# Altium PCB EPS.PcbDoc (part 8 of 11) (continued)
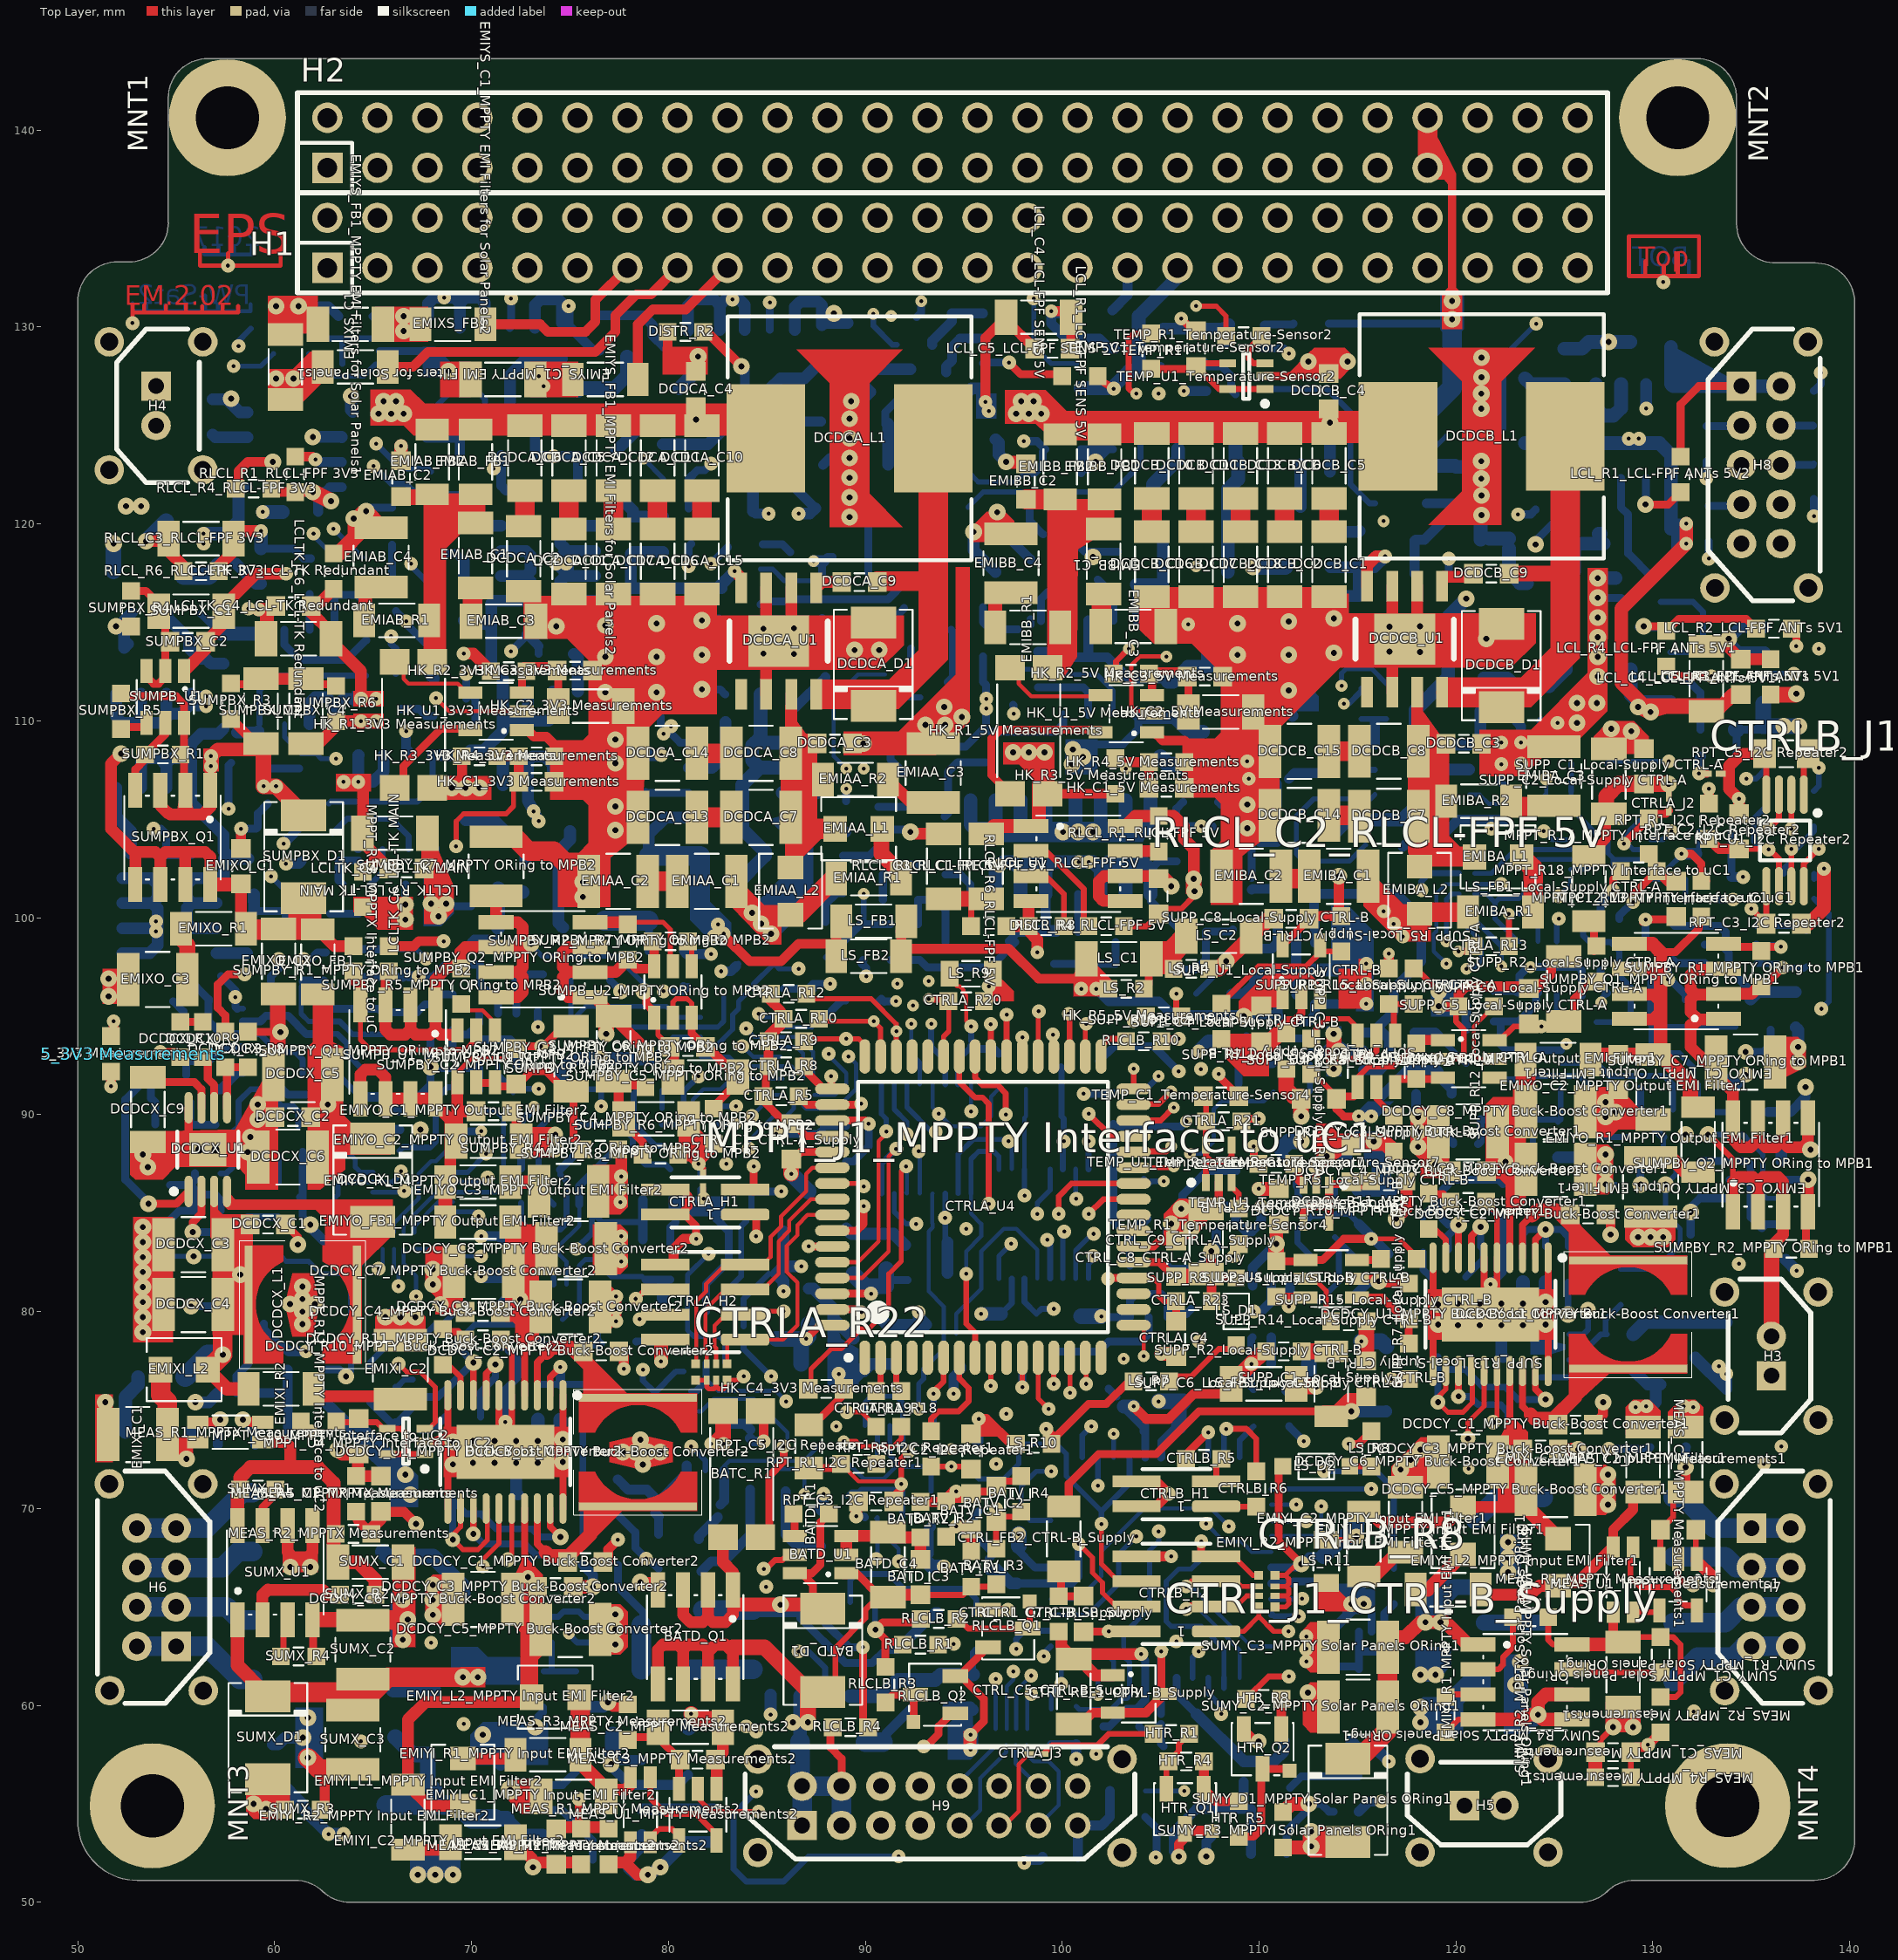
[diagram p0: Top Layer view]
## Nets (pads, with @x,y where several pads share a name; then routed paths per layer and width w, separated by ;. In a path a pad name is that pad's centre, name@x,y a point inside that pad or via, vN(x,y) a via of type N, cw(c..) or ccw(c..) an arc to the next point about the centre after c; other vN are vias at no path point) (continued)
  Bottom Layer w0.208: 74.821,81.376 74.821,82.532 74.422,82.931 74.422,83.312 75.471,84.361 75.471,85.426
  Bottom Layer w0.3: 76.035,86.957 76.3,86.957 76.3,87.211
  Bottom Layer w0.4: 75.471,85.426 75.471,86.393 76.035,86.957 ; 76.3,87.211 77.189,88.1
"NetMPPT_C2_MPPTX Interface to uC_1": "MPPT_C2_MPPTX Interface to uC.1" "MPPT_C4_MPPTX Interface to uC.1" "MPPT_R8_MPPTX Interface to uC.1" "MPPT_R9_MPPTX Interface to uC.2" "MPPT_U1_MPPTX Interface to uC.2" | length 9.1
  Bottom Layer w0.3: 58.382,94.084 59.256,94.084 60.16,93.18 61.049,93.18 61.419,92.81 61.419,92.037
  Bottom Layer w0.4: 55.488,97.028 56.653,95.863 56.653,95.758 56.642,95.747 56.642,94.626 ; 56.731,94.653 57.3,94.084 58.382,94.084
"NetMPPT_C2_MPPTX Interface to uC_2": "MPPT_C2_MPPTX Interface to uC.2" "MPPT_R4_MPPTX Interface to uC.2" | length 1.3
  Bottom Layer w0.4: 54.853,95.758 55.372,95.239 55.372,94.626
"NetMPPT_C2_MPPTY Interface to uC1_1": "MPPT_C2_MPPTY Interface to uC1.1" "MPPT_C4_MPPTY Interface to uC1.1" "MPPT_R8_MPPTY Interface to uC1.1" "MPPT_R9_MPPTY Interface to uC1.2" "MPPT_U1_MPPTY Interface to uC1.2" | length 9.2
  Bottom Layer w0.3: 122.39,91.645 122.539,91.794 123.66,91.794 123.832,91.966 125.318,91.966 126.271,91.966 126.708,91.529 126.708,89.889 126.454,89.635 127.227,88.862 128.729,88.862
"NetMPPT_C2_MPPTY Interface to uC1_2": "MPPT_C2_MPPTY Interface to uC1.2" "MPPT_R4_MPPTY Interface to uC1.2" | length 1.3
  Bottom Layer w0.6: 125.184,87.835 126.327,87.835 126.454,87.835
"NetMPPT_C2_MPPTY Interface to uC2_1": "MPPT_C2_MPPTY Interface to uC2.1" "MPPT_C4_MPPTY Interface to uC2.1" "MPPT_R8_MPPTY Interface to uC2.1" "MPPT_R9_MPPTY Interface to uC2.2" "MPPT_U1_MPPTY Interface to uC2.2" | length 9.2
  Bottom Layer w0.254: 74.627,79.591 75.471,80.435 75.471,81.376 75.471,82.329 75.781,82.639 76.492,82.639 76.797,82.334 76.797,82.08 77.096,81.781 78.66,81.781 78.829,81.612
  Bottom Layer w0.4: 78.829,81.612 80.099,81.612
  Bottom Layer w0.7: 79.756,80.656 79.756,81.407
"NetMPPT_C2_MPPTY Interface to uC2_2": "MPPT_C2_MPPTY Interface to uC2.2" "MPPT_R4_MPPTY Interface to uC2.2" | length 1.1
  Bottom Layer w0.4: 78.37,78.48 79.502,78.48
"NetMPPT_C6_MPPTX Interface to uC_2": "MPPT_C6_MPPTX Interface to uC.2" "MPPT_R5_MPPTX Interface to uC.1" "MPPT_R6_MPPTX Interface to uC.1" "MPPT_R7_MPPTX Interface to uC.2" "MPPT_U1_MPPTX Interface to uC.5" | length 7.1
  Bottom Layer w0.4: 62.432,95.384 65.271,95.384 65.454,95.201 67.239,95.201 67.642,95.604 67.907,95.604 68.415,96.112 69.05,96.112
"NetMPPT_C6_MPPTY Interface to uC1_2": "MPPT_C6_MPPTY Interface to uC1.2" "MPPT_R5_MPPTY Interface to uC1.1" "MPPT_R6_MPPTY Interface to uC1.1" "MPPT_R7_MPPTY Interface to uC1.2" "MPPT_U1_MPPTY Interface to uC1.5" | length 8.5
  Bottom Layer w0.3: 129.767,93.307 129.921,93.461 129.921,94.55 ; 129.767,94.704 129.921,94.55 ; 133.185,94.45 130.021,94.45 129.921,94.55 ; 133.185,94.461 134.19,94.461
  Bottom Layer w0.4: 129.629,97.398 129.921,97.106 129.921,94.858
"NetMPPT_C6_MPPTY Interface to uC2_2": "MPPT_C6_MPPTY Interface to uC2.2" "MPPT_R5_MPPTY Interface to uC2.1" "MPPT_R6_MPPTY Interface to uC2.1" "MPPT_R7_MPPTY Interface to uC2.2" "MPPT_U1_MPPTY Interface to uC2.5" | length 12.8
  Bottom Layer w0.3: 74.171,85.426 74.171,85.452 73.406,86.217 73.406,89.281 74.246,90.121 74.852,90.121 ; 75.487,89.486 75.781,89.486 77.519,89.486 78.194,88.811 78.194,88.1 78.829,87.465 79.856,87.465 80.099,87.222
  Bottom Layer w0.4: 74.852,90.121 75.487,89.486
"NetMPPT_C7_MPPTX Interface to uC_2": "MPPT_C7_MPPTX Interface to uC.2" "MPPT_R10_MPPTX Interface to uC.1" "MPPT_U3_MPPTX Interface to uC.7" | length 18.7
  Signal 2 w0.4: v1(61.595,77.978) 63.881,80.264 63.881,82.042 68.658,86.819 v1(70.817,86.819)
  Bottom Layer w0.254: 69.043,86.568 70.566,86.568 v1(70.817,86.819)
  Bottom Layer w0.4: 59.447,79.375 59.447,79.121 60.463,78.105
  Bottom Layer w0.5: 60.463,78.232 60.717,77.978 v1(61.595,77.978)
"NetMPPT_C7_MPPTY Interface to uC1_2": "MPPT_C7_MPPTY Interface to uC1.2" "MPPT_R10_MPPTY Interface to uC1.1" "MPPT_U3_MPPTY Interface to uC1.7" | length 6.9
  Bottom Layer w0.254: 125.826,102.459 126.716,102.459 127.089,102.832 127.089,104.305 125.846,105.548 125.846,106.426
  Bottom Layer w0.3: 125.846,106.426 125.846,107.823
"NetMPPT_C7_MPPTY Interface to uC2_2": "MPPT_C7_MPPTY Interface to uC2.2" "MPPT_R10_MPPTY Interface to uC2.1" "MPPT_U3_MPPTY Interface to uC2.7" | length 3.9
  Bottom Layer w0.208: 85.68,94.442 87.277,94.442
  Bottom Layer w0.254: 87.277,94.442 87.376,94.54 ; 87.376,94.604 87.439,94.667
  Bottom Layer w0.3: 87.376,94.731 87.746,94.731 ; 88.773,95.758 89.016,95.758
  Bottom Layer w0.4: 87.746,94.731 88.773,95.758
"NetMPPT_C9_MPPTX Interface to uC_2": "MPPT_C9_MPPTX Interface to uC.2" "MPPT_R12_MPPTX Interface to uC.1" "MPPT_U3_MPPTX Interface to uC.5" | length 4
  Bottom Layer w0.254: 62.992,88.1 63.716,88.1 64.097,87.719 64.097,87.338 64.367,87.068 64.993,87.068
  Bottom Layer w0.3: 62.992,88.1 62.992,89.143 63.219,89.37
"NetMPPT_C9_MPPTY Interface to uC1_2": "MPPT_C9_MPPTY Interface to uC1.2" "MPPT_R12_MPPTY Interface to uC1.1" "MPPT_U3_MPPTY Interface to uC1.5" | length 2.9
  Bottom Layer w0.254: 129.876,101.959 131.661,101.959 131.661,100.838
"NetMPPT_C9_MPPTY Interface to uC2_2": "MPPT_C9_MPPTY Interface to uC2.2" "MPPT_R12_MPPTY Interface to uC2.1" "MPPT_U3_MPPTY Interface to uC2.5" | length 9.1
  Bottom Layer w0.254: 75.046,96.901 75.046,94.764 75.057,94.753 ; 75.184,94.869 75.819,95.504 79.883,95.504 80.445,94.942 81.63,94.942
"NetMPPT_C10_MPPTX Interface to uC_1": "MPPT_C10_MPPTX Interface to uC.1" "MPPT_R11_MPPTX Interface to uC.2" "MPPT_U4_MPPTX Interface to uC.1" "MPPT_U4_MPPTX Interface to uC.4" "MPPT_U4_MPPTX Interface to uC.5" | length 7
  Bottom Layer w0.4: 54.572,84.301 54.572,84.544 55.146,85.118 55.954,85.118 55.954,86.188 ; 54.699,86.438 55.704,86.438 ; 55.954,87.018 55.954,86.688 55.704,86.438 ; 57.254,85.118 57.254,85.672 56.985,85.941 56.201,85.941 55.954,86.188 ; 55.704,86.438 55.954,86.188
"NetMPPT_C10_MPPTY Interface to uC1_1": "MPPT_C10_MPPTY Interface to uC1.1" "MPPT_R11_MPPTY Interface to uC1.2" "MPPT_U4_MPPTY Interface to uC1.1" "MPPT_U4_MPPTY Interface to uC1.4" "MPPT_U4_MPPTY Interface to uC1.5" | length 9
  Bottom Layer w0.3: 124.295,76.659 126.432,76.659 126.708,76.935 126.708,77.813 ; 125.758,77.544 126.439,77.544 126.708,77.813 ; 127.658,77.544 126.977,77.544 126.708,77.813 ; 128.359,80.342 127.597,79.58 127.597,78.905 127.658,78.844 127.358,78.844 126.708,78.194 126.708,77.813
"NetMPPT_C10_MPPTY Interface to uC2_1": "MPPT_C10_MPPTY Interface to uC2.1" "MPPT_R11_MPPTY Interface to uC2.2" "MPPT_U4_MPPTY Interface to uC2.1" "MPPT_U4_MPPTY Interface to uC2.4" "MPPT_U4_MPPTY Interface to uC2.5" | length 7.2
  Top Layer w0.3: 62.965,74.384 63.843,74.384 64.224,74.765 64.224,74.511 64.351,74.384 65.189,74.384 65.532,74.041 ; 65.725,72.756 66.675,72.756 ; 65.725,74.056 66.406,74.056 66.675,73.787 66.675,72.756 ; 67.625,72.756 66.675,72.756
"NetMPPT_C11_MPPTX Interface to uC_2": "MPPT_C11_MPPTX Interface to uC.2" "MPPT_R13_MPPTX Interface to uC.1" "MPPT_R14_MPPTX Interface to uC.2" "MPPT_U3_MPPTX Interface to uC.4" | length 19.8
  Top Layer w0.5: 65.797,98.552 67.056,98.552 67.31,98.806 v1(68.58,98.806)
  Signal 1 w0.4: v1(66.421,87.122) 66.421,94.615 68.58,96.774 v1(68.58,98.806)
  Bottom Layer w0.254: 63.092,85.814 63.13,85.852 63.219,85.941 63.219,86.568 64.993,86.568 65.994,86.568 66.421,86.995 v1(66.421,87.122)
"NetMPPT_C11_MPPTY Interface to uC1_2": "MPPT_C11_MPPTY Interface to uC1.2" "MPPT_R13_MPPTY Interface to uC1.1" "MPPT_R14_MPPTY Interface to uC1.2" "MPPT_U3_MPPTY Interface to uC1.4" | length 6.1
  Top Layer w0.4: v1(131.445,103.251) 131.953,103.251 132.461,102.743 132.461,102.119 132.715,101.865
  Bottom Layer w0.254: 129.876,102.459 130.724,102.459 v1@131.516,103.251 ; 132.323,103.251 132.323,104.394
  Bottom Layer w0.6: v1(131.445,103.251) 131.516,103.251 132.196,103.251
"NetMPPT_C11_MPPTY Interface to uC2_2": "MPPT_C11_MPPTY Interface to uC2.2" "MPPT_R13_MPPTY Interface to uC2.1" "MPPT_R14_MPPTY Interface to uC2.2" "MPPT_U3_MPPTY Interface to uC2.4" | length 6.1
  Bottom Layer w0.254: 78.105,94.442 81.63,94.442 82.504,94.442 82.81,94.748 82.81,96.029
"NetMPPT_C12_MPPTX Interface to uC_2": "MPPT_C12_MPPTX Interface to uC.2" "MPPT_R17_MPPTX Interface to uC.2" "MPPT_R18_MPPTX Interface to uC.1" "MPPT_U5_MPPTX Interface to uC.3" | length 3.4
  Bottom Layer w0.4: 72.286,95.125 72.286,96.432 72.236,96.482 72.236,97.117 72.247,97.128 73.622,97.128
"NetMPPT_C12_MPPTY Interface to uC1_2": "MPPT_C12_MPPTY Interface to uC1.2" "MPPT_R17_MPPTY Interface to uC1.2" "MPPT_R18_MPPTY Interface to uC1.1" "MPPT_U5_MPPTY Interface to uC1.3" | length 4.4
  Top Layer w0.4: v1(128.994,100.8) 128.994,101.17 130.186,102.362 ; 130.302,102.616 130.371,102.547 130.371,102.293
  Top Layer w0.6: 130.371,102.293 130.964,101.7
  Bottom Layer w0.4: 128.293,99.951 128.293,100.099 v1(128.994,100.8)
"NetMPPT_C12_MPPTY Interface to uC2_2": "MPPT_C12_MPPTY Interface to uC2.2" "MPPT_R17_MPPTY Interface to uC2.2" "MPPT_R18_MPPTY Interface to uC2.1" "MPPT_U5_MPPTY Interface to uC2.3" | length 22.7
  Signal 1 w0.3: v1(82.677,97.282) 82.677,92.329 82.423,92.075 82.423,89.281 82.886,88.818 83.632,88.818 83.842,89.027 84.455,89.027 85.217,88.265 85.217,86.614 v1(85.725,86.106)
  Bottom Layer w0.3: 82.865,80.012 82.865,80.96 83.693,81.788 83.693,84.317 83.958,84.582 83.958,84.963 ; 83.428,97.536 83.555,97.663 ; 84.212,84.963 84.212,86.106
  Bottom Layer w0.4: 84.466,86.106 v1(85.725,86.106)
  Bottom Layer w0.5: v1(82.677,97.282) 83.174,97.282 83.428,97.536
"NetMPPT_R5_MPPTX Interface to uC_2": "MPPT_R5_MPPTX Interface to uC.2" "MPPT_R15_MPPTX Interface to uC.1" "MPPT_U5_MPPTX Interface to uC.1" "MPPT_U5_MPPTX Interface to uC.4" | length 7
  Bottom Layer w0.4: 69.05,93.191 69.05,94.312 69.293,94.069 70.066,94.069 ; 70.386,95.125 70.386,94.643 69.939,94.196 70.066,94.069 ; 72.286,92.505 72.286,93.5 71.971,93.815 70.32,93.815 70.066,94.069
"NetMPPT_R5_MPPTY Interface to uC1_2": "MPPT_R5_MPPTY Interface to uC1.2" "MPPT_R15_MPPTY Interface to uC1.1" "MPPT_U5_MPPTY Interface to uC1.1" "MPPT_U5_MPPTY Interface to uC1.4" | length 8
  Bottom Layer w0.3: 126.454,99.53 126.454,99.098 126.784,98.768 127.851,98.768 128.293,98.326 128.293,97.331 128.293,97.056 128.867,96.482 128.867,95.085 128.486,94.704 127.138,94.704
"NetMPPT_R5_MPPTY Interface to uC2_2": "MPPT_R5_MPPTY Interface to uC2.2" "MPPT_R15_MPPTY Interface to uC2.1" "MPPT_U5_MPPTY Interface to uC2.1" "MPPT_U5_MPPTY Interface to uC2.4" | length 20.7
  Signal 1 w0.254: v1(76.581,90.424) 78.74,88.265 78.74,84.582 80.391,82.931 v1(82.042,82.931)
  Bottom Layer w0.254: v1(82.042,82.931) 80.965,81.854 80.965,80.012 80.965,79.055 81.28,78.74 82.55,78.74 82.865,78.425 82.865,77.392
  Bottom Layer w0.3: 75.781,91.286 76.681,91.286 ; v1(76.581,90.424) 76.581,91.186 76.681,91.286 ; 76.962,91.567 76.797,91.402 ; 77.04,91.402 76.797,91.402 ; 76.681,91.286 76.797,91.402
"NetMPPT_R12_MPPTX Interface to uC_2": "MPPT_R12_MPPTX Interface to uC.2" "MPPT_U4_MPPTX Interface to uC.3" | length 8.7
  Bottom Layer w0.3: 57.254,87.018 57.554,87.018 57.858,87.322 57.858,89.1 58.166,89.408 58.166,90.678 58.779,91.291 59.509,91.291 60.362,90.438 60.946,90.438 61.203,90.181 61.203,89.408
"NetMPPT_R12_MPPTY Interface to uC1_2": "MPPT_R12_MPPTY Interface to uC1.2" "MPPT_U4_MPPTY Interface to uC1.3" | length 31.6
  Power w0.3: v4(126.708,80.099) 126.708,84.417 127.216,84.925 130.518,84.925 131.661,86.068 133.693,86.068 135.636,88.011 135.636,93.726 133.604,95.758 133.604,100.457 v1(134.074,100.927)
  Bottom Layer w0.3: 125.758,78.844 126.469,78.844 126.708,79.083 v4(126.708,80.099)
  Bottom Layer w0.4: 133.196,100.927 v1(134.074,100.927)
"NetMPPT_R12_MPPTY Interface to uC2_2": "MPPT_R12_MPPTY Interface to uC2.2" "MPPT_U4_MPPTY Interface to uC2.3" | length 31.8
  Top Layer w0.254: v1@66.167,77.343 v1(66.294,77.343) 66.713,76.924 67.402,76.924 68.161,76.165 68.161,74.384 67.818,74.041
  Signal 1 w0.4: v1(66.294,77.343) 67.945,77.343 69.85,79.248 72.771,79.248 73.787,80.264 73.787,84.201 75.565,85.979 75.565,94.234 v4(77.597,96.266)
  Bottom Layer w0.4: 77.031,96.832 v4(77.597,96.266)
"NetMPPT_R15_MPPTX Interface to uC_2": "MPPT_R15_MPPTX Interface to uC.2" "MPPT_U2_MPPTX Interface to uC.1" | length 5.3
  Bottom Layer w0.3: 66.343,88.166 66.531,88.354 67.06,88.354 67.077,88.338 67.891,88.338 68.177,88.624 68.177,90.783 68.785,91.391 69.05,91.391
"NetMPPT_R15_MPPTY Interface to uC1_2": "MPPT_R15_MPPTY Interface to uC1.2" "MPPT_U2_MPPTY Interface to uC1.1" | length 1.3
  Bottom Layer w0.3: 125.118,94.903 125.118,96.188
"NetMPPT_R15_MPPTY Interface to uC2_2": "MPPT_R15_MPPTY Interface to uC2.2" "MPPT_U2_MPPTY Interface to uC2.1" | length 4.2
  Bottom Layer w0.3: 78.84,91.402 78.575,91.402 78.232,91.059 78.232,89.523 79.335,88.42 79.678,88.42
NetRBL_C1_2: RBL_C1.2 RBL_R1.2 RBL_R2.2 RBL_R4.1 | length 4.5
  Bottom Layer w0.4: RBL_R1.2@92.672,99.668 RBL_R4.1@92.672,100.8 ; RBL_R4.1@92.672,100.916 93.561,100.916 RBL_R2.2@94.069,100.408 RBL_R2.2@94.069,100.535 ; RBL_C1.2@94.07,98.768 RBL_R2.2@94.069,100.408
NetRBL_C3_2: RBL_C3.2 RBL_R6.2 RBL_R7.2 RBL_R9.1 | length 4.2
  Bottom Layer w0.4: RBL_R6.2@99.579,97.663 102.706,97.663 RBL_C3.2@102.706,98.768
NetRBL_Q1_G: RBL_Q1.G RBL_R2.1 | length 2
  Bottom Layer w0.4: RBL_R2.1@94.069,102.208 94.82,102.208 95.344,101.684 RBL_Q1.G@95.344,101.194
NetRBL_Q2_B: RBL_Q2.B RBL_R5.2 | length 2
  Bottom Layer w0.4: RBL_R5.2@87.973,99.795 87.973,100.673 88.547,101.247 RBL_Q2.B@88.869,101.247
NetRBL_Q2_C: RBL_Q2.C RBL_Q2.Shield RBL_R4.2 | length 3.3
  Bottom Layer w0.4: RBL_Q2.Shield@90.894,100.922 90.894,102.197 91.148,102.197 91.667,102.716 RBL_R4.2@92.672,102.716
NetRBL_Q3_G: RBL_Q3.G RBL_R7.1 | length 1.9
  Bottom Layer w0.4: RBL_R7.1@100.805,99.282 RBL_Q3.G@100.805,101.194
NetRBL_Q4_B: RBL_Q4.B RBL_R10.2 | length 0.9
  Bottom Layer w0.4: RBL_Q4.B@107.724,102.024 RBL_R10.2@107.724,102.959
NetRBL_Q4_C: RBL_Q4.C RBL_Q4.Shield RBL_R9.2 | length 5.9
  Bottom Layer w0.4: RBL_R9.2@104.494,97.205 104.66,97.371 106.769,97.371 107.299,97.901 RBL_Q4.Shield@107.299,99.303 108.574,99.303 RBL_Q4.C@108.674,99.403
"NetRLCL_C1_DCDC RLCL_2": "RLCL_C1_DCDC RLCL.2" "RLCL_C5_DCDC RLCL.1" "RLCL_R4_DCDC RLCL.2" | length 3.8
  Bottom Layer w0.4: 78.983,98.298 79,98.315 79,99.85
  Bottom Layer w1: 76.75,99.85 79,99.85
"NetRLCL_C1_RLCL-FPF 3V3_2": "RLCL_C1_RLCL-FPF 3V3.2" "RLCL_C3_RLCL-FPF 3V3.1" "RLCL_R6_RLCL-FPF 3V3.2" | length 5.3
  Top Layer w0.6: v2(53.467,119.126) 54.102,119.126 54.737,119.761 ; 54.611,119.253 54.611,118.617 55.361,117.867 55.361,117.602
  Bottom Layer w0.6: 54.357,119.761 54.611,120.015
  Bottom Layer w0.8: v2(53.467,119.126) 54.483,120.142
"NetRLCL_C1_RLCL-FPF 5V_2": "RLCL_C1_RLCL-FPF 5V.2" "RLCL_C3_RLCL-FPF 5V.1" "RLCL_R6_RLCL-FPF 5V.2" | length 2.8
  Top Layer w0.3: 95.366,99.568 95.377,99.579 95.377,100.966
  Top Layer w0.8: 93.98,100.966 95.377,100.966
"NetRLCL_C1_VBAT RLCL_2": "RLCL_C1_VBAT RLCL.2" "RLCL_C5_VBAT RLCL.1" "RLCL_R4_VBAT RLCL.2" | length 5
  Bottom Layer w0.3: 106.262,107.531 106.808,108.077 107.707,108.077 108.966,109.336
  Bottom Layer w0.8: 104.99,108.166 105.371,107.785 106.008,107.785 106.262,107.531
"NetRLCL_C2_DCDC RLCL_2": "RLCL_C2_DCDC RLCL.2" "RLCL_C3_DCDC RLCL.2" "RLCL_R2_DCDC RLCL.1" "RLCL_R5_DCDC RLCL.1" "RLCL_U1_DCDC RLCL.5" "RLCL_U1_DCDC RLCL.6" | length 14.3
  Bottom Layer w0.7: 83.4,101.4 83.4,101.65 84.9,103.15 84.9,103.35 83.75,104.5 83.75,106.75 84.62,107.62 ; 84.682,111.341 84.682,110.198 84.682,109.182 84.39,108.89 ; 85.81,107.62 84.62,107.62 ; 85.81,108.89 84.39,108.89 ; 84.39,108.89 84.25,108.75 84.25,107.99 84.62,107.62
"NetRLCL_C2_VBAT RLCL_2": "RLCL_C2_VBAT RLCL.2" "RLCL_C3_VBAT RLCL.2" "RLCL_R2_VBAT RLCL.1" "RLCL_R5_VBAT RLCL.1" "RLCL_U1_VBAT RLCL.5" "RLCL_U1_VBAT RLCL.6" | length 14
  Bottom Layer w0.5: 98.768,113.511 99.952,113.511 100.053,113.612 ; 100.053,115.098 100.053,113.612 ; 101.323,115.098 101.323,113.231 ; 105.372,111.987 105.218,112.141 103.378,112.141 102.288,113.231 101.323,113.231 ; 100.053,113.612 100.434,113.231 101.323,113.231
  Bottom Layer w0.7: 105.372,111.987 105.637,111.987 106.387,112.737 107.15,112.737 ; 107.404,112.738 107.404,113.997
"NetRLCL_R1_RLCL-FPF 3V3_1": "RLCL_R1_RLCL-FPF 3V3.1" "RLCL_U1_RLCL-FPF 3V3.7" | length 2.5
  Top Layer w0.5: 61.049,123.417 61.927,123.417 v1(62.065,123.279)
  Bottom Layer w0.5: v1(62.065,123.279) 62.207,123.137 63.409,123.137
"NetRLCL_R1_RLCL-FPF 5V_1": "RLCL_R1_RLCL-FPF 5V.1" "RLCL_U1_RLCL-FPF 5V.7" | length 1.7
  Top Layer w0.6: 103.198,103.393 104.876,103.393 104.902,103.367
"NetRLCL_R2_DCDC RLCL_2": "RLCL_R2_DCDC RLCL.2" "RLCL_U1_DCDC RLCL.3" | length 3.8
  Bottom Layer w0.6: 81.03,107.62 82.22,107.62 82.893,108.293 82.893,109.933
"NetRLCL_R2_VBAT RLCL_2": "RLCL_R2_VBAT RLCL.2" "RLCL_U1_VBAT RLCL.3" | length 3.8
  Bottom Layer w0.4: 98.768,111.711 101.065,111.711 101.323,111.453 101.323,110.318
"NetRLCL_R3_DCDC RLCL_1": "RLCL_R3_DCDC RLCL.1" "RLCL_U1_DCDC RLCL.2" | length 2.2
  Bottom Layer w0.4: 78.829,106.377 78.856,106.35 81.03,106.35
"NetRLCL_R3_VBAT RLCL_1": "RLCL_R3_VBAT RLCL.1" "RLCL_U1_VBAT RLCL.2" | length 6.8
  Bottom Layer w0.254: 97.498,112.622 99.519,112.622 99.784,112.357 101.765,112.357 102.593,111.529 102.593,110.318
"NetRLCL_R4_RLCL-FPF 3V3_1": "RLCL_R4_RLCL-FPF 3V3.1" "RLCL_U1_RLCL-FPF 3V3.2" | length 4.3
  Top Layer w0.5: 57.99,121.628 58.166,121.804 58.166,122.682 58.636,123.152 v2(59.906,123.152)
  Bottom Layer w0.5: 58.629,123.137 58.644,123.152 v2(59.906,123.152)
"NetRLCL_R4_RLCL-FPF 5V_1": "RLCL_R4_RLCL-FPF 5V.1" "RLCL_U1_RLCL-FPF 5V.2" | length 5.4
  Top Layer w0.3: 98.418,103.393 99.172,103.393 101.092,101.473 101.092,99.568
"NetRLCL_R6_DCDC RLCL_1": "RLCL_R6_DCDC RLCL.1" "RLCL_U1_DCDC RLCL.7" | length 1.7
  Bottom Layer w0.7: 85.81,106.35 87.5,106.35
"NetRLCL_R6_VBAT RLCL_1": "RLCL_R6_VBAT RLCL.1" "RLCL_U1_VBAT RLCL.7" | length 2.4
  Bottom Layer w0.4: 101.805,117.183 102.593,116.395 102.593,115.098
"NetRLCL_U1_DCDC RLCL_4": "RLCL_U1_DCDC RLCL.4" "RLCL_U1_VBAT RLCL.4" SEL_C1.1 SEL_D3.K SEL_D4.K SEL_R1.1 SEL_R2.2 SEL_R3.2 | length 41.7
  Power w0.7: v1(80.137,109.728) 86.614,109.728 88.265,111.379 91.694,111.379 92.837,112.522 94.742,112.522 v1(96.139,111.125)
  Signal 1 w0.4: v1(80.137,109.728) 80.645,110.236 80.645,117.475 v1(81.026,117.856)
  Bottom Layer w0.4: SEL_C1.1@79.602,110.198 79.602,109.882 80.594,108.89 81.03,108.89 ; v1(81.026,117.856) 81.026,118.861 SEL_R1.1@81.153,118.988 ; SEL_D4.K@92.799,108.694 95.094,108.694 SEL_R3.2@96.037,109.637 ; SEL_D3.K@95.974,113.266 95.974,111.987 96.139,111.822 v1(96.139,111.125) v1(96.139,110.617) SEL_R3.2@96.139,109.663 ; SEL_R3.2@96.101,109.574 96.09,109.585 96.139,109.634 SEL_R3.2@96.139,109.663 ; SEL_R3.2@96.101,109.701 SEL_R3.2@96.139,109.663 ; 100.053,110.318 100.053,109.832 99.657,109.436 96.366,109.436 SEL_R3.2@96.139,109.663
  other v1: 79.756,109.347
NetRLCLB_C1_2: RLCLB_C1.2 RLCLB_C6.1 RLCLB_R11.1 | length 5.9
  Bottom Layer w0.4: RLCLB_R11.1@77.443,67.145 77.443,65.991 78.726,64.708 RLCLB_C1.2@78.726,64.097
  Bottom Layer w1: RLCLB_C6.1@78.623,61.811 RLCLB_C1.2@78.623,64.097
NetRLCLB_C2_2: RLCLB_C2.2 RLCLB_C7.1 RLCLB_R12.1 | length 4.3
  Bottom Layer w0.4: RLCLB_R12.1@83.39,60.414 RLCLB_C2.2@83.39,61.557
  Bottom Layer w1: RLCLB_C7.1@81.115,61.787 81.163,61.835 RLCLB_C2.2@84.036,61.835 RLCLB_C2.2@84.29,61.835
NetRLCLB_C3_2: RLCLB_C3.2 RLCLB_C4.2 RLCLB_R6.2 RLCLB_R8.1 RLCLB_U1.5 RLCLB_U1.6 | length 8
  Bottom Layer w0.3: RLCLB_R8.1@95.466,61.568 95.466,62.689 RLCLB_R6.2@95.631,62.854
  Bottom Layer w0.7: RLCLB_U1.6@89.228,60.467 RLCLB_U1.5@90.498,60.467 90.82,60.467 91.645,61.292 RLCLB_C4.2@91.91,61.292 93.549,61.292 RLCLB_C3.2@93.688,61.431 93.825,61.568 RLCLB_R8.1@95.466,61.568
NetRLCLB_C5_2: RLCLB_C5.2 RLCLB_C8.1 RLCLB_R13.1 | length 3.2
  Bottom Layer w0.5: RLCLB_C8.1@91.059,58.128 91.059,58.558 RLCLB_R13.1@92.407,59.906
  Bottom Layer w1: RLCLB_C5.2@90.004,58.128 RLCLB_C8.1@90.895,58.128
NetRLCLB_Q1_B: RLCLB_Q1.B RLCLB_R9.2 | length 26.5
  Top Layer w0.4: RLCLB_Q1.B@96.228,64.854 v1(97.239,64.854)
  Signal 1 w0.254: v1(97.239,64.854) 99.822,67.437 99.822,70.993 100.203,71.374 100.203,71.628 100.711,72.136 100.711,74.422 101.219,74.93 102.108,74.93 103.378,76.2 105.41,76.2 106.426,75.184 109.22,75.184 110.987,73.417 v1(112.268,73.417)
  Bottom Layer w0.4: RLCLB_R9.2@111.517,74.168 v1(112.268,73.417)
NetRLCLB_Q1_C: RLCLB_Q1.C RLCLB_Q1.Shield RLCLB_R2.2 | length 5.6
  Top Layer w0.3: RLCLB_R2.2@94.345,64.478 94.653,64.478 95.227,63.904 RLCLB_Q1.C@98.253,63.904 98.353,64.004 RLCLB_Q1.Shield@98.353,65.279
NetRLCLB_Q2_B: RLCLB_Q2.B RLCLB_R10.2 | length 58.9
  Top Layer w0.35: RLCLB_R10.2@105.04,93.853 v1(105.918,93.853)
  Top Layer w0.4: v1(92.964,57.912) 92.964,57.785 93.726,58.547 93.726,58.928 94.389,59.591 RLCLB_Q2.B@94.57,59.591 RLCLB_Q2.B@95.024,59.591
  Signal 2 w0.254: v1(92.964,57.912) 94.869,59.817 106.172,59.817 108.585,62.23 108.585,66.294 110.236,67.945 110.236,71.374 111.379,72.517 111.379,76.2 112.903,77.724 112.903,85.852 110.998,87.757 110.998,90.551 107.576,93.973 106.038,93.973 v1(105.918,93.853)
NetRLCLB_Q2_C: RLCLB_Q2.C RLCLB_Q2.Shield RLCLB_R3.2 | length 3.1
  Top Layer w0.4: RLCLB_R3.2@91.021,60.149 91.413,60.541 RLCLB_Q2.C@92.545,60.541 92.445,60.441 RLCLB_Q2.Shield@92.445,59.166
NetRLCLB_R1_1: RLCLB_R1.1 RLCLB_R2.1 RLCLB_R3.1 RLCLB_U1.4 | length 6.6
  Top Layer w0.4: RLCLB_R3.1@91.021,61.949 91.021,63.335 ; RLCLB_R1.1@91.772,63.208 91.148,63.208 91.021,63.335 ; RLCLB_R2.1@92.672,64.213 90.883,64.213 v2(90.513,63.843) 91.021,63.335
  Bottom Layer w0.3: RLCLB_U1.4@90.498,65.247 90.498,63.858 v2(90.513,63.843)
NetRLCLB_R4_1: RLCLB_R4.1 RLCLB_U1.2 | length 7.7
  Top Layer w0.4: v1(89.878,62.954) 89.878,59.144 90.005,59.017 RLCLB_R4.1@90.259,59.017
  Bottom Layer w0.4: RLCLB_U1.2@87.958,65.247 87.958,64.188 89.192,62.954 v1(89.878,62.954)
NetRLCLB_R6_1: RLCLB_R6.1 RLCLB_U1.3 | length 8.9
  Bottom Layer w0.3: RLCLB_U1.3@89.228,65.247 89.228,66.368 89.535,66.675 91.186,66.675 91.948,65.913 95.123,65.913 95.631,65.405 RLCLB_R6.1@95.631,64.654
"NetRPT_C1_I2C Repeater1_1": "RPT_C1_I2C Repeater1.1" "RPT_R2_I2C Repeater1.2" "RPT_R3_I2C Repeater1.1" "RPT_U1_I2C Repeater1.7" | length 8.4
  Bottom Layer w0.208: 89.027,72.401 89.927,71.501 90.932,71.501 91.694,72.263
  Bottom Layer w0.254: 91.249,74.207 91.249,72.707 91.694,72.263 91.832,72.125 93.345,72.125 93.345,70.877
"NetRPT_C1_I2C Repeater2_1": "RPT_C1_I2C Repeater2.1" "RPT_R2_I2C Repeater2.2" "RPT_R3_I2C Repeater2.1" "RPT_U1_I2C Repeater2.7" | length 6.4
  Top Layer w0.3: 137.033,101.6 v1(137.033,103.505)
  Bottom Layer w0.3: 136.387,100.965 136.387,102.235 ; 136.641,102.235 136.641,102.478 137.033,102.87 v1(137.033,103.505) 137.287,103.505 138.176,104.394 138.176,104.637
"NetRPT_C2_I2C Repeater1_1": "RPT_C2_I2C Repeater1.1" "RPT_R1_I2C Repeater1.2" "RPT_R5_I2C Repeater1.1" "RPT_U1_I2C Repeater1.6" | length 12.3
  Top Layer w0.254: 93.293,72.177 93.345,72.125
  Top Layer w0.3: 93.345,72.125 v3(94.361,72.125) 95.377,72.125
  Signal 1 w0.254: v1(90.614,72.177) 90.614,72.962 91.364,73.711 93.407,73.711 93.738,74.041 94.742,74.041 95.25,73.533 95.25,72.517 94.858,72.125 v3(94.361,72.125)
  Bottom Layer w0.254: v1(90.614,72.177) 90.614,74.207
"NetRPT_C2_I2C Repeater2_1": "RPT_C2_I2C Repeater2.1" "RPT_R1_I2C Repeater2.2" "RPT_R5_I2C Repeater2.1" "RPT_U1_I2C Repeater2.6" | length 8.3
  Top Layer w0.3: 134.493,103.494 135.901,103.494 136.398,102.997 136.398,101.6
  Top Layer w0.5: 132.842,104.002 133.35,103.494 134.366,103.494
  Bottom Layer w0.3: 135.763,105.78 135.763,105.664 135.128,105.029 135.128,103.886 135.547,103.467 v1(135.874,103.467)
"NetRPT_R4_I2C Repeater1_1": "RPT_R4_I2C Repeater1.1" "RPT_U1_I2C Repeater1.2" | length 101.9
  Control Signals 1 w0.254: v1(91.694,67.31) 92.202,67.818 98.425,67.818 100.711,70.104 102.108,70.104 107.823,75.819 107.823,79.629 109.982,81.788 110.998,81.788 117.221,88.011 117.221,90.805 118.491,92.075 119.888,92.075 126.111,98.298 126.111,105.283 130.937,110.109 130.937,115.062 128.651,117.348 128.651,121.539 131.699,124.587 131.699,130.302 132.334,130.937 138.557,130.937 139.192,130.302 139.192,128.448 138.43,127.686 v1(138.532,127.686)
  Bottom Layer w0.208: 91.249,69.557 91.249,68.389 91.694,67.945 v1(91.694,67.31)
  Bottom Layer w0.4: 138.176,126.757 138.532,127.113 v1(138.532,127.686)
"NetRPT_R4_I2C Repeater2_1": "RPT_R4_I2C Repeater2.1" "RPT_U1_I2C Repeater2.2" | length 23.8
  Top Layer w0.3: v1(137.033,104.521) 137.033,106.25
  Signal 2 w0.208: v1(137.033,104.521) 137.033,106.553 132.08,111.506 132.08,114.046 133.35,115.316 134.62,115.316 138.176,118.872 v1(138.176,120.396)
  Bottom Layer w0.4: v1(138.176,120.396) 138.176,121.274
"NetRPT_R6_I2C Repeater1_1": "RPT_R6_I2C Repeater1.1" "RPT_U1_I2C Repeater1.3" | length 88.4
  Control Signals 1 w0.254: v1(90.551,67.437) 91.821,66.167 100.33,66.167 102.997,68.834 102.997,69.85 104.775,71.628 107.442,71.628 109.093,73.279 109.093,75.692 108.712,76.073 108.712,78.232 109.22,78.74 110.109,78.74 110.617,79.248 110.617,80.518 115.697,85.598 119.507,85.598 121.285,87.376 121.285,92.583 127,98.298 127,105.283 131.826,110.109 131.826,115.697 130.81,116.713 130.81,120.396 v1(132.715,122.301)
  Bottom Layer w0.208: v1(90.551,67.437) 90.614,67.501 90.614,69.557 90.551,69.494
  Bottom Layer w0.4: v1(132.715,122.301) 132.715,123.179
"NetRPT_R6_I2C Repeater2_1": "RPT_R6_I2C Repeater2.1" "RPT_U1_I2C Repeater2.3" | length 20.4
  Top Layer w0.3: v1(135.89,104.521) 136.398,105.029 136.398,106.25
  Signal 2 w0.254: v1(132.842,118.237) 132.08,118.237 131.191,117.348 131.191,110.617 133.604,108.204 133.604,105.537 134.62,104.521 v1(135.89,104.521)
  Bottom Layer w0.4: v1(132.842,118.237) 132.842,119.115
NetSEL_C4_1: SEL_C4.1 SEL_R8.2 | length 1.7
  Bottom Layer w0.4: SEL_R8.2@97.233,119.352 SEL_R8.2@97.233,119.469
  Bottom Layer w0.5: SEL_R8.2@97.233,119.352 SEL_C4.1@98.387,118.198
NetSEL_C4_2: SEL_C4.2 SEL_D3.A SEL_D5.K | length 5.7
  Bottom Layer w0.4: SEL_D3.A@95.974,115.766 95.974,115.024 96.355,114.643 SEL_C4.2@97.752,114.643 ; SEL_C4.2@98.387,114.898 SEL_C4.2@98.387,115.151 ; SEL_C4.2@98.933,115.062 98.933,116.205 99.677,116.949 SEL_D5.K@100.292,116.949
NetSEL_C5_1: SEL_C5.1 SEL_R9.2 | length 2.3
  Bottom Layer w0.3: SEL_C5.1@86.45,110.579 SEL_C5.1@86.45,110.696
  Bottom Layer w0.5: SEL_C5.1@86.45,110.696 SEL_R9.2@87.973,112.219
NetSEL_C5_2: SEL_C5.2 SEL_D4.A SEL_D6.K | length 3
  Bottom Layer w0.3: SEL_C5.2@89.751,111.194 SEL_D4.A@92.799,111.194
NetSEL_C6_2: SEL_C6.2 SEL_D1.A SEL_R10.1 SEL_U1.2 | length 12.4
  Bottom Layer w0.254: SEL_R10.1@95.212,120.855 95.985,121.628 SEL_U1.2@100.967,121.628 102.579,121.628 SEL_C6.2@102.832,121.881
  Bottom Layer w0.3: SEL_C6.2@102.832,121.881 103.975,123.024 103.975,124.772 SEL_D1.A@103.271,125.476
NetSEL_C7_2: SEL_C7.2 SEL_D2.A SEL_R11.1 SEL_U2.2 | length 9.3
  Bottom Layer w0.4: SEL_R11.1@84.671,115.902 84.829,116.06 SEL_D2.A@86.195,116.06 ; SEL_D2.A@86.195,116.167 SEL_U2.2@90.426,116.167 91.148,116.167 92.026,117.045 92.789,117.045 SEL_C7.2@93.308,117.564
NetSEL_D1_K: SEL_D1.K SEL_R6.1 | length 1.8
  Bottom Layer w0.3: SEL_D1.K@105.771,125.476 106.796,125.476 SEL_R6.1@107.315,124.957
NetSEL_D2_K: SEL_D2.K SEL_R7.1 | length 1.6
  Bottom Layer w0.4: SEL_R7.1@84.798,118.972 85.783,118.972 SEL_D2.K@86.195,118.56
NetSEL_Q1_B: SEL_Q1.B SEL_R4.2 | length 1.5
  Bottom Layer w0.4: SEL_Q1.B@92.325,113.671 92.325,112.831 92.799,112.357 SEL_R4.2@92.81,112.357
NetSEL_Q1_C: SEL_Q1.C SEL_Q1.Shield SEL_R2.1 | length 2.8
  Bottom Layer w0.4: SEL_R2.1@94.185,111.976 94.45,112.241 SEL_Q1.Shield@94.45,113.246 94.45,114.521 SEL_Q1.C@94.35,114.621
NetSEL_Q2_B: SEL_Q2.B SEL_R5.2 | length 1.4
  Bottom Layer w0.4: SEL_R5.2@90.651,105.626 SEL_Q2.B@92.037,105.626
NetSEL_Q2_C: SEL_Q2.C SEL_Q2.Shield SEL_R3.1 | length 4.4
  Bottom Layer w0.4: SEL_Q2.Shield@94.035,105.14 94.196,105.301 94.196,107.404 94.693,107.901 SEL_R3.1@96.101,107.901
NetSEL_R8_1: SEL_R8.1 SEL_U1.4 | length 1.5
  Bottom Layer w0.4: SEL_U1.4@98.347,120.678 98.347,120.155 SEL_R8.1@99.033,119.469
NetSEL_R9_1: SEL_R9.1 SEL_U2.4 | length 1.3
  Bottom Layer w0.3: SEL_R9.1@87.806,114.186 SEL_R9.1@87.973,114.019
  Bottom Layer w0.4: SEL_R9.1@87.806,114.186 SEL_U2.4@87.806,115.217